# Altium PCB StEth32.PcbDoc (continued)
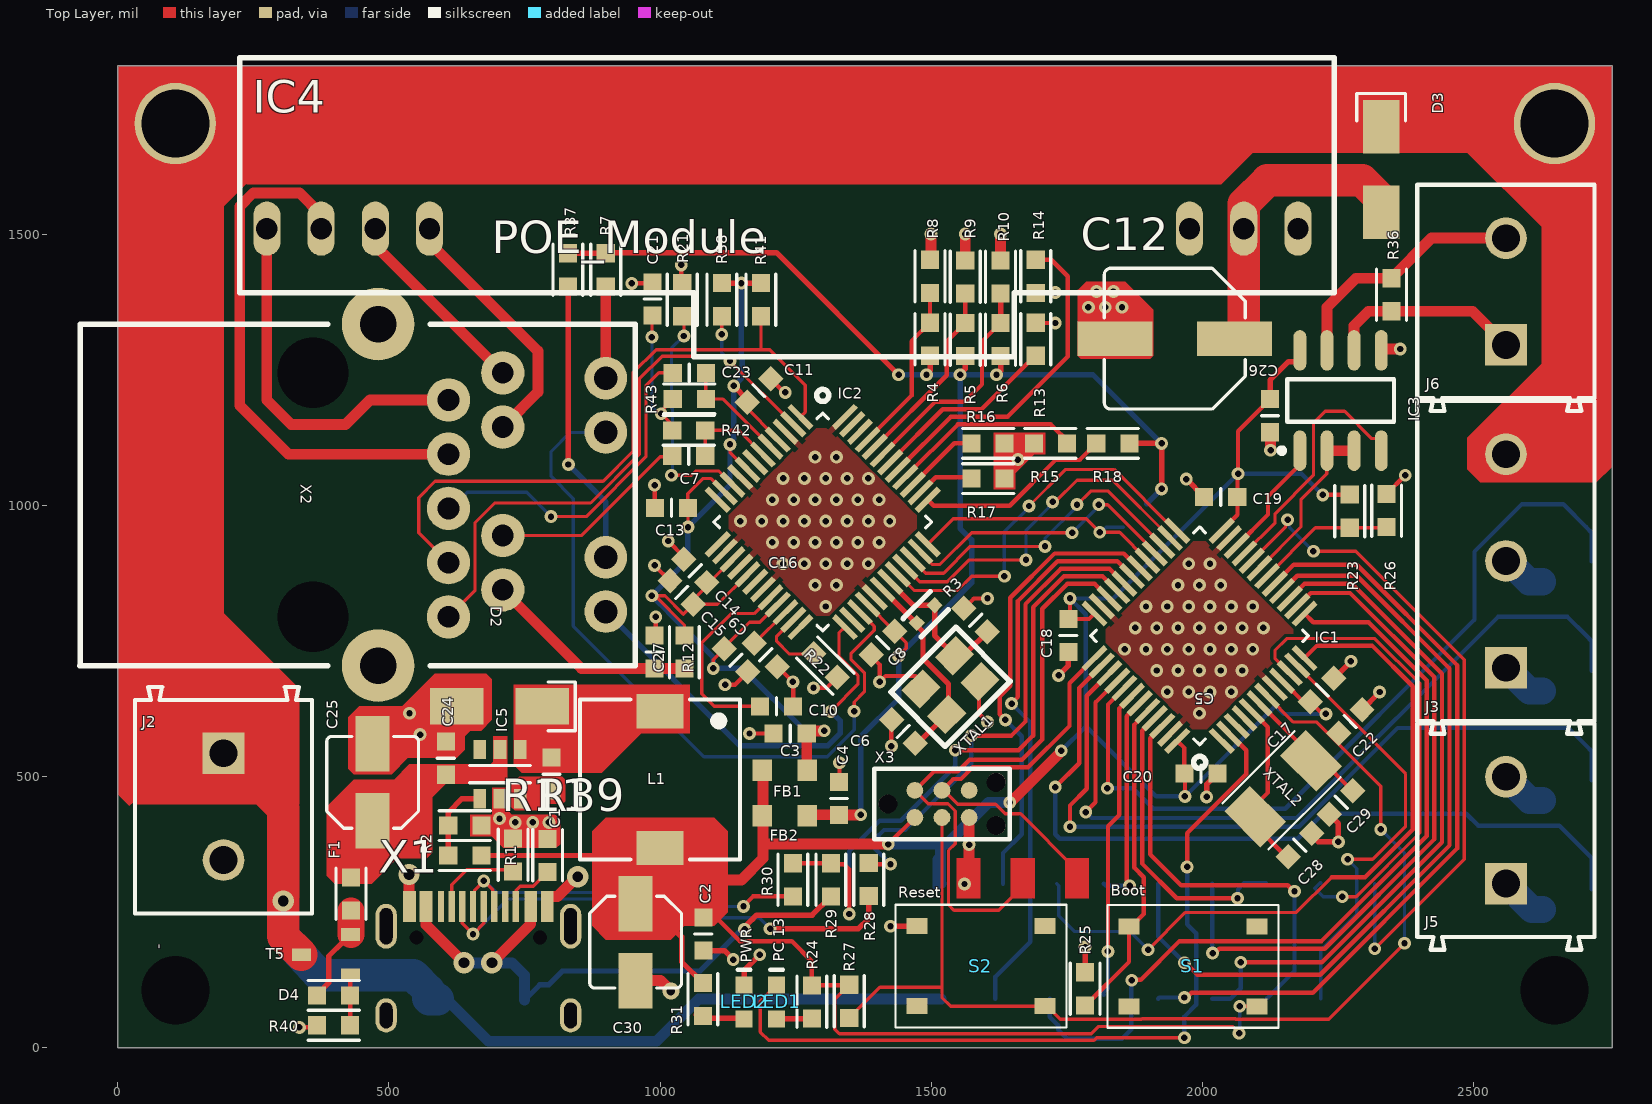
[diagram p0: Top Layer view]
## Part data (continued)
R4 R5 R6 R8 R9 R10 R13 R14 R15 R16 R17 R18 R19 R20 R22 R23 R25 R26 R27: library part ERJ-3EKF1002V, "RES SMD 10K OHM 1% 1/10W 0603", Digi-Key Part Number=P10.0KHCT-ND, Manufacturer="Panasonic Electronic Components", Operating Temperature="-55°C ~ 155°C", Package / Case="0603 (1608 Metric)", Power (Watts)="0.1W, 1/10W", Supplier Device Package=0603, Temperature Coefficient=±100ppm/°C, Tolerance=±1%, @ qty=1500, Composition="Thick Film", Datasheets=http://industrial.panasonic.com/www-cgi/jvcr13pz.cgi?E+PZ+3+AOA0002+ERJ3EKF1002V+7+WW, Factory Stock=0, Failure Rate=-, Features="Automotive AEC-Q200", Height - Seated (Max)="0.022\" (0.55mm)", Image=//media.digikey.com/Photos/Panasonic%20Photos/MFG_ERJ-P6W%20Series.jpg, Minimum Quantity=1, Number of Terminations=2, Packaging="Cut Tape (CT)", Part Number=ERJ-3EKF1002V, Part Status=Active, Quantity Available=6703141, Series=ERJ, Size / Dimension="0.063\" L x 0.031\" W (1.60mm x 0.80mm)", Unit Price (USD)=0.00379
R7 R12 R24 R37: library part ERJ-3EKF3300V, "RES SMD 330 OHM 1% 1/10W 0603", Digi-Key Part Number=P330HCT-ND, Manufacturer="Panasonic Electronic Components", Operating Temperature="-55°C ~ 155°C", Package / Case="0603 (1608 Metric)", Power (Watts)="0.1W, 1/10W", Supplier Device Package=0603, Temperature Coefficient=±100ppm/°C, Tolerance=±1%, @ qty=1500, Composition="Thick Film", Datasheets=http://industrial.panasonic.com/www-cgi/jvcr13pz.cgi?E+PZ+3+AOA0002+ERJ3EKF3300V+7+WW, Factory Stock=0, Failure Rate=-, Features="Automotive AEC-Q200", Height - Seated (Max)="0.022\" (0.55mm)", Image=//media.digikey.com/Photos/Panasonic%20Photos/MFG_ERJ-P6W%20Series.jpg, Minimum Quantity=1, Number of Terminations=2, Packaging="Cut Tape (CT)", Part Number=ERJ-3EKF3300V, Part Status=Active, Quantity Available=670984, Series=ERJ, Size / Dimension="0.063\" L x 0.031\" W (1.60mm x 0.80mm)", Unit Price (USD)=0.00379
R11 R39: library part ERJ-3GEYJ512V, "RES SMD 5.1K OHM 5% 1/10W 0603", Digi-Key Part Number=P5.1KGCT-ND, Manufacturer="Panasonic Electronic Components", Operating Temperature="-55°C ~ 155°C", Package / Case="0603 (1608 Metric)", Power (Watts)="0.1W, 1/10W", Supplier Device Package=0603, Temperature Coefficient=±200ppm/°C, Tolerance=±5%, @ qty=1500, Composition="Thick Film", Datasheets=http://industrial.panasonic.com/www-cgi/jvcr13pz.cgi?E+PZ+3+AOA0001+ERJ3GEYJ512V+7+WW, Factory Stock=0, Failure Rate=-, Features="Automotive AEC-Q200", Height - Seated (Max)="0.022\" (0.55mm)", Image=//media.digikey.com/Photos/Panasonic%20Photos/MFG_ERJ-P6W%20Series.jpg, Minimum Quantity=1, Number of Terminations=2, Packaging="Cut Tape (CT)", Part Number=ERJ-3GEYJ512V, Part Status=Active, Quantity Available=285626, Series=ERJ, Size / Dimension="0.063\" L x 0.031\" W (1.60mm x 0.80mm)", Unit Price (USD)=0.00321
R21: library part ERJ-3BQF1R1V, "RES SMD 12,4 KOHM 1% 1/4W 0603", Digi-Key Part Number=P17372CT-ND, Manufacturer="Panasonic Electronic Components", Operating Temperature="-55°C ~ 125°C", Package / Case="0603 (1608 Metric)", Power (Watts)="0.25W, 1/4W", Supplier Device Package=0603, Temperature Coefficient=±200ppm/°C, Tolerance=±1%, @ qty=1500, Composition="Thick Film", Datasheets=https://industrial.panasonic.com/cdbs/www-data/pdf/RDA0000/AOA0000C239.pdf, Factory Stock=0, Failure Rate=-, Features="Automotive AEC-Q200, Current Sense", Height - Seated (Max)="0.022\" (0.55mm)", Image=//media.digikey.com/Photos/Panasonic%20Photos/MFG_ERJ-P6W%20Series.jpg, Minimum Quantity=1, Number of Terminations=2, Packaging="Cut Tape (CT)", Part Number=ERJ-3BQF1R1V, Part Status=Active, Quantity Available=3896, Series=ERJ, Size / Dimension="0.063\" L x 0.031\" W (1.60mm x 0.80mm)", Unit Price (USD)=0.05386
R28 R30: library part ERJ-3EKF20R0V, "RES SMD 20 OHM 1% 1/10W 0603", Digi-Key Part Number=P20.0HCT-ND, Manufacturer="Panasonic Electronic Components", Operating Temperature="-55°C ~ 155°C", Package / Case="0603 (1608 Metric)", Power (Watts)="0.1W, 1/10W", Supplier Device Package=0603, Temperature Coefficient=±100ppm/°C, Tolerance=±1%, @ qty=1500, Composition="Thick Film", Datasheets=http://industrial.panasonic.com/www-cgi/jvcr13pz.cgi?E+PZ+3+AOA0002+ERJ3EKF20R0V+7+WW, Factory Stock=0, Failure Rate=-, Features="Automotive AEC-Q200", Height - Seated (Max)="0.022\" (0.55mm)", Image=//media.digikey.com/Photos/Panasonic%20Photos/MFG_ERJ-P6W%20Series.jpg, Minimum Quantity=1, Number of Terminations=2, Packaging="Cut Tape (CT)", Part Number=ERJ-3EKF20R0V, Part Status=Active, Quantity Available=92419, Series=ERJ, Size / Dimension="0.063\" L x 0.031\" W (1.60mm x 0.80mm)", Unit Price (USD)=0.00379
R29 R32 R33 R34 R35 R36 R40: library part ERJ-3EKF4701V, "RES SMD 4.7K OHM 1% 1/10W 0603", Digi-Key Part Number=P4.70KHCT-ND, Manufacturer="Panasonic Electronic Components", Operating Temperature="-55°C ~ 155°C", Package / Case="0603 (1608 Metric)", Power (Watts)="0.1W, 1/10W", Supplier Device Package=0603, Temperature Coefficient=±100ppm/°C, Tolerance=±1%, @ qty=1500, Composition="Thick Film", Datasheets=http://industrial.panasonic.com/www-cgi/jvcr13pz.cgi?E+PZ+3+AOA0002+ERJ3EKF4701V+7+WW, Factory Stock=0, Failure Rate=-, Features="Automotive AEC-Q200", Height - Seated (Max)="0.022\" (0.55mm)", Image=//media.digikey.com/Photos/Panasonic%20Photos/MFG_ERJ-P6W%20Series.jpg, Minimum Quantity=1, Number of Terminations=2, Packaging="Cut Tape (CT)", Part Number=ERJ-3EKF4701V, Part Status=Active, Quantity Available=999380, Series=ERJ, Size / Dimension="0.063\" L x 0.031\" W (1.60mm x 0.80mm)", Unit Price (USD)=0.00379
R38 R41 R42 R43: library part ERJ-3EKF49R9V, "RES SMD 49.9 OHM 1% 1/10W 0603", Digi-Key Part Number=P49.9HCT-ND, Manufacturer="Panasonic Electronic Components", Operating Temperature="-55°C ~ 155°C", Package / Case="0603 (1608 Metric)", Power (Watts)="0.1W, 1/10W", Supplier Device Package=0603, Temperature Coefficient=±100ppm/°C, Tolerance=±1%, @ qty=1500, Composition="Thick Film", Datasheets=http://industrial.panasonic.com/www-cgi/jvcr13pz.cgi?E+PZ+3+AOA0002+ERJ3EKF49R9V+7+WW, Factory Stock=0, Failure Rate=-, Features="Automotive AEC-Q200", Height - Seated (Max)="0.022\" (0.55mm)", Image=//media.digikey.com/Photos/Panasonic%20Photos/MFG_ERJ-P6W%20Series.jpg, Minimum Quantity=1, Number of Terminations=2, Packaging="Cut Tape (CT)", Part Number=ERJ-3EKF49R9V, Part Status=Active, Quantity Available=566023, Series=ERJ, Size / Dimension="0.063\" L x 0.031\" W (1.60mm x 0.80mm)", Unit Price (USD)=0.00379
S1 S2: library part Button, "6.1x3.7x2.5mm"
T1 T2 T3 T4: "AO3400 MOSFET 30V"
T5: "AO3401 MOSFET 30V"
X1: library part "USB-C 16P"
XTAL1: library part 3225
XTAL2: library part 5032

## Free pads (board coordinates)
  round 0 hole 125.98: 0(106.3,106.3) 0(2649.61,106.3)
  round 150 hole 125.98: 0(106.3,1704.72) 0(2649.61,1704.72)

## Via types
v1: diameter 23.62, hole 11.81, Top Layer to Bottom Layer, tented both sides, 124 vias
v2: diameter 23.62, hole 11.81, Top Layer to Bottom Layer, 73 vias
v3: diameter 39.37, hole 19.68, Top Layer to Bottom Layer, tented both sides, 5 vias
v4: diameter 31.5, hole 15.75, Top Layer to Bottom Layer, tented both sides, 1 vias

## Nets (pads, with @x,y where several pads share a name; then routed paths per layer and width w, separated by ;. In a path a pad name is that pad's centre, name@x,y a point inside that pad or via, vN(x,y) a via of type N, cw(c..) or ccw(c..) an arc to the next point about the centre after c; other vN are vias at no path point)
3,3V: C2.1 C17.1 C18.1 C19.1 C20.1 C26.1 C30.1 FB1.1 FB2.1 IC1.9 IC1.24 IC1.36 IC1.48 IC3.8 J1.1 L1.2 R1.1 R23.2 R24.1 R27.2 R31.2 S1.2 X3.1 | length 5113.3
  Top Layer w6: R27.2@1348,115.51 1322.27,89.78 1322.27,34.61 1330.88,26 1795.5,26 1809.26,39.76 1958.32,39.76 1958.38,39.81 2055.19,39.81 v1(2068,27) ; v1(2069,77) 2100.77,77 S1.2
  Top Layer w8: 1071,273 1147,197 1243,197 1280,160 R24.1 1348,115.51 R27.2 ; v1(1421,376) X3.1 ; v1(1756,829) 1756,794 C18.1 1791.24,791 IC1.36 ; IC1.48@1955.49,564.75 1966.98,553.26 C20.1 1968,504.98 v1(1968,464) ; IC1.24@2047.66,966.1 2065,983.44 2065,1058 v1(2066,1059) 2066,1137.51 C26.1 ; IC1.9 2147.58,677.27 2192.42,632.42 C17.1@2197,637 ; C17.1 2221.85,616 v1(2227.92,616) ; v1(2222,1020) 2271.49,1020 R23.2
  Top Layer w10: R1.1 915,355 940,330 ; C30.1 979.13,265.87 1040,205 1040,159 R31.2 ; C26.1 2125,1231.52 2159.05,1265.57 2173.71,1265.57 2180,1271.86 IC3.8
  Top Layer w20: 1070,310 1150,310 1190,350 1190,376 ; FB1.1@1190,515 1190,376 ; v1(1421,376) 1190,376 ; v1(1645,452.69) 1645.78,452.69 1740,546.92 v1(1740,548)
  Bottom Layer w6: v1(2068,27) 2069,28 v1(2069,77)
  Bottom Layer w8: v1(1740,548) 1785,593 1785,594 ; v1(2222,1020) 2183,1059 v1(2066,1059) 1836,829 v1(1756,829) 1785,800 1785,594 ; v1(2227.92,616) 2150,616 2135,631 v1(1968,464) 1915,464 1785,594
  Bottom Layer w20: v1(1421,376) 1517,376 ; J1.1@1512.35,297 J1.1@1512.35,347.65 ; J1.1 1517,304.65 1517,376 ; v1(1645,452.69) 1605.69,452.69 1529,376 1517,376
3,3VA: C3.1 C11.1 C13.1 C14.1 C15.1 C16.1 FB1.2 IC2.4 IC2.8 IC2.11 IC2.15 IC2.17 IC2.21 R12.2 R38.2 R41.2 | length 2207.5
  Top Layer w6: v1(985,834) v1@991,834 ; R12.2 1045,780 v1@991,834 ; C13.1@1051.02,996 1051.02,1022.02 1079,1050 1094.14,1050 IC2.11 ; v1(1051.51,960.49) C13.1 ; v1(1098,700) 1098,716.15 C16.1 ; C16.1@1123.42,731.58 1123.42,743.42 1165,785 1184.3,785 IC2.21 ; v1(1129,1113) 1129,1098.57 IC2.8 ; IC2.15 1090.84,858.42 C14.1 1086.58,851.58 1061.58,826.58 C15.1 ; C11.1@1155,1185 1217.27,1122.73 IC2.4 ; IC2.17 1106,818.42 C15.1 ; v1@991,834 1009.15,834 1043.15,800 C15.1
  Top Layer w10: R38.2 v1(1150,1410.51) R41.2 ; v1(1136,1221) 1160.8,1196.2 C11.1
  Top Layer w20: FB1.2@1270,515 1270.51,515.51 C3.1 1274.82,584.31 1302.31,584.31 v1(1303,585)
  Bottom Layer w10: v1(1150,1410.51) 1150,1278.12 1151.81,1276.31 1151.81,1257.42 1150,1255.61 1150,1235 v1(1136,1221) 1136,1123.69 1129,1116.69 v1(1129,1113) 1129,1037.98 v1(1051.51,960.49) 1051.51,900.51 v1(985,834) 1001.19,817.81 1001.45,817.81 1014.81,804.45 1014.81,804.19 1098,721 v1(1098,700) 1152,700 1267,585 v1(1303,585)
3,3VD: C4.1 C8.1 FB2.2 IC2.28 R4.2 R5.2 R6.2 R7.2 R18.2 R19.2 R20.2 R37.2 | length 2671.7
  Top Layer w6: C4.1@1329.49,430 C4.1 ; IC2.28@1382.73,815.42 IC2.28 1430.13,770.58 C8.1@1432.58,770.58 ; C8.1 1432.58,768.42 1454,747 1454,737 v1(1440,723)
  Top Layer w10: R37.2 R7.2 901.3,1466.81 1214.69,1466.81 v1(1440,1241.5) ; v1@1491.48,1243.48 1498,1250 R4.2 ; v1@1553.48,1243.48 1562.96,1252.96 1562.96,1275.94 R5.2 ; v1(1620.5,1241.5) 1628,1249 R6.2 ; R18.2 v1@1923,1115 ; v1(1925,1031) 1925,1113 v1@1923,1115 ; v1(1925,1115) v1@1923,1115
  Top Layer w20: FB2.2@1270,430 C4.1@1329.49,430 ; C4.1 1369.49,429.49 v1(1370,430)
  Bottom Layer w10: v1(1370,430) 1370,574 1440,644 v1(1440,723) 1574.49,857.49 R20.2 1553.48,958.01 v1(1553.48,1241.5) ; v1(1440,1241.5) v1(1491.48,1241.5) v1(1553.48,1241.5) ; R19.2 v1(1925,1031) ; v1(1925,1115) 1798.5,1241.5 v1(1620.5,1241.5) v1(1553.48,1241.5)
12V: C12.1 D3.A IC4.6 | length 574.5
  Top Layer w60: C12.1 2075.08,1308 2076.57,1309.5 IC4.6 2076.57,1556.57 2120,1600 2295,1600 2330,1565 D3.A
GND: C2.2 C3.2 C4.2 C5.1 C6.1 C8.2 C9.2 C10.2 C11.2 C12.2 C13.2 C14.2 C15.2 C16.2 C17.2 C18.2 C19.2 C20.2 C21.1 C22.2 C24.2 C25.2 C26.2 C27.1 C28.1 C29.1 C30.2 D2.A IC1.8 IC1.23 IC1.35 IC1.47 IC2.3 IC2.9 IC2.14 IC2.16 IC2.19 IC2.29 IC2.48 IC3.5 IC4.5 IC5.5 J1.19 J1.20 J2.2 LED2.1 R2.1 R8.1 R9.1 R10.1 R11.2 R13.2 R14.2 R15.2 R16.2 R17.2 R21.1 R22.1 R25.1 R26.1 R32.1 R33.1 R34.1 R35.1 R39.1 R40.1 S2.1 T1.S T2.S T3.S T4.S X1.GND X2.15 X3.5 XTAL1.2 XTAL1.4 | length 2223.6
  Top Layer w8: v1(335,38) 363.49,38 R40.1 ; v1(948,1410) 984.49,1410 C21.1 ; C27.1 992,762.51 v1(992,795) ; v1(990,890) C15.2 ; v1(990,1038) 990,996.49 C13.2 ; v1(1015,935) 1043.42,906.58 C14.2 ; v1(1039,1444) 1039,1412.51 R21.1 ; v1(1120,670) 1138.15,670 C16.2 ; v1(1165,580) C3.2 ; C11.2 1228.91,1209 v1(1231,1209) ; C9.2 v1(1245,675) 1245.51,674.49 C10.2 ; v1(1283,664) 1307.15,664 R22.1 ; C4.2 1331,491.51 1330,492.51 1331,493.51 v1(1331,526) ; C8.2 1389.42,722.57 1405,706.99 v1(1405,675) 1416.08,686.08 1471.43,686.08 ; v1(1426.72,556.72) 1426.72,605.72 C6.1 ; R8.1@1498,1447.51 R8.1@1499,1448.51 ; C5.1@1561,810 C5.1 1578.85,829 v1(1604,829) ; R9.1@1567,1448.51 R9.1@1572,1443.51 ; XTAL1.4@1600,676 XTAL1.4 1587.22,673.22 1587.22,645.47 1588.22,644.46 1588.22,616.78 v1(1604,601) ; R13.2 1693.14,1337.65 1693.8,1337 v1(1729,1337) ; R14.2@1693,1386.49 R14.2@1699,1392.49 ; R14.2 R14.2@1699,1392.49 ; v1@1729,1392.49 1730.5,1392.49 1731.02,1393 1738.03,1393 v1@1734.52,1389.5 ; v1(1729,1393) 1728.49,1392.49 R14.2@1699,1392.49 ; R26.1 v1(2374.49,1056)
  Top Layer w10: C2.2 1118.51,179.49 v1(1135,163) ; LED2.1 1155,143 v1(1184,172) ; v1@1423,226.64 v1(1425,224.64) 1468.6,224.64 1471.19,227.23 S2.1 ; v1(1735,687) 1753,705 C18.2 ; R25.1 v1(1784,186) ; v1(1970.49,1049) C19.2 ; v1(2008,463) 2008,486 C20.2 ; C28.1@2194,400 2214,380 v1(2251,380) 2251,413.85 C29.1@2229.42,435.42 ; C17.2@2235.58,675.58 2236.58,675.58 C17.2 2274,713 v1(2274,713.19) ; C22.2 2327,656 v1(2327,656.38)
  Top Layer w20: v3(537,320) 537,261.62 X1.GND@538.03,260.59 ; X1.GND@791.97,260.59 791.97,277.32 793.78,279.13 811.13,279.13 v3(848,316) v3@840.36,316 ; C30.2 1000.87,124.13 v4(1020,105) ; R8.1 1500,1455.51 v1(1500,1501) ; R9.1 v1(1563,1501) ; v2@1570,306 v1(1570,375) X3.5 ; R10.1 v1(1628,1501) ; C26.2 2125.54,1134.95 2125.54,1102.78 v1(2126.08,1102.24) ; IC3.5 2330,1287.33 2331.67,1289 v1(2365,1289)
  other v1: 733,416 765.2,416 795,416 704,423 1660,1085 1790,1366 1821,1366 1852,1366 1805,1395 1836,1395
  other v2: 1561.54,302.32 557.6,577.91 537.91,617.28 1994.61,617.28 1935.55,656.65 1974.92,656.65 2014.29,656.65 2053.66,656.65 1915.87,696.02 1955.24,696.02 1994.61,696.02 2033.98,696.02 2073.35,696.02 1856.81,735.39 1896.18,735.39 1935.55,735.39 1974.92,735.39 2014.29,735.39 2053.66,735.39 2093.03,735.39 1876.5,774.76 1915.87,774.76 1955.24,774.76 1994.61,774.76 2033.98,774.76 2073.35,774.76 2112.72,774.76 1305.63,814.13 1896.18,814.13 1935.55,814.13 1974.92,814.13 2014.29,814.13 2053.66,814.13 2093.03,814.13 1285.95,853.51 1325.32,853.51 1955.24,853.51 1994.61,853.51 2033.98,853.51 1226.89,892.88 1266.26,892.88 1305.63,892.88 1345,892.88 1384.37,892.88 1974.92,892.88 2014.29,892.88 1207.21,932.25 1246.58,932.25 1285.95,932.25 1325.32,932.25 1364.69,932.25 1404.06,932.25 1148.15,971.62 1187.52,971.62 1226.89,971.62 1266.26,971.62 1305.63,971.62 1345,971.62 1384.37,971.62 1423.74,971.62 1207.21,1010.99 1246.58,1010.99 1285.95,1010.99 1325.32,1010.99 1364.69,1010.99 1404.06,1010.99 1226.89,1050.36 1266.26,1050.36 1305.63,1050.36 1345,1050.36 1384.37,1050.36 1285.95,1089.73 1325.32,1089.73
NetC1_1: C1.1 IC5.6
NetC1_2: C1.2 D2.K IC5.1 L1.1
NetC5_2: C5.2 IC2.31 R3.2 XTAL1.1 | length 291.1
  Top Layer w10: IC2.31 1467.88,816.26 R3.2 1506.26,761.06 1544,723.33 1544,731.19 1544.31,730.88 1567.03,730.88 C5.2
NetC6_2: C6.2 IC2.30 R3.1 XTAL1.3 | length 363.7
  Top Layer w10: IC2.30 1472.12,783.74 R3.1 1473.74,778.83 1485,767.57 1485,718 1532,671 1532,644.34 1528.75,641.09 XTAL1.3 1476.15,562.15 C6.2
NetC7_1: C7.1 IC2.6 R42.2 | length 171.6
  Top Layer w6: C7.1 R42.2 1145.14,1139 IC2.6
NetC7_2: C7.2 X2.4 | length 380.4
  Top Layer w6: X2.4 855,945 1000.27,1090.27 1020.76,1090.27 C7.2
  Bottom Layer w6: X2.4 X2.4@715,940
NetC9_1: C9.1 IC2.22 | length 81.7
  Top Layer w6: C9.1 1174.16,746.58 IC2.22
NetC10_1: C10.1 IC2.20 | length 372.8
  Top Layer w6: C10.1 1100,630 1077,653 1077,747 1131,801 1173.43,801 IC2.20
NetC21_2: C21.2 R42.1 R43.2 | length 266.4
  Top Layer w6: v1(985,1311) 985,1349.49 C21.2 ; R42.1 1017.04,1144.45 1017.04,1154.73 v1(1002.32,1169.44) 1002.32,1174.21 1009.76,1181.64 1009.76,1183.27 R43.2
  Bottom Layer w6: v1(985,1311) 985,1182.33 997.88,1169.44 v1(1002.32,1169.44)
NetC22_1: C22.1 IC1.7 R27.1 S2.2 X3.3 | length 2041.8
  Top Layer w6: R27.1 1405.51,112 1520,112 ; X3.3 1520,112 ; IC1.7 2168.14,601 2211,601 2329,483 v1(2329,403) ; v1(2373,193) 2233.01,53.01 2061.4,53.01 2060.6,53.81 1889,53.81 1887.94,52.76 1738.24,52.76 1714.23,76.77 1535.96,76.77 1520,92.73 1520,112
  Bottom Layer w6: v1(2329,403) 2373,359 v1(2373,193)
NetC23_1: C23.1 IC2.5 R43.1 | length 200.9
  Top Layer w6: R43.1 1115.43,1197 IC2.5 ; R43.1@1084.51,1200 C23.1
NetC23_2: C23.2 X2.5 | length 631
  Top Layer w6: v1(799,980) 863.94,980 974,1090.06 974,1221 998,1245 C23.2
  Bottom Layer w6: X2.5 614.33,995 644.33,1025 754,1025 v1(799,980)
NetC27_2: C27.2 R12.1 X2.2 | length 395.3
  Top Layer w20: X2.2 855.51,699.49 C27.2 R12.1
NetC28_2: C28.2 IC1.5 XTAL2.1 | length 317.2
  Top Layer w8: IC1.5 2121,591.57 2121,471 2097.5,447.5 XTAL2.1 2097.5,410.2 C28.2@2156.85,350.85
NetC29_2: C29.2 IC1.6 XTAL2.2 | length 238.6
  Top Layer w8: IC1.6 2200.5,540.36 XTAL2.2 2221.65,529.5 C29.2@2272.58,478.58
NetD4_1: D4.1 F1.2 T5.S | length 207.7
  Top Layer w10: D4.1@367.49,87 D4.1 367.49,98.49 389,120 389,169.13 416.56,196.68 416.56,202.59 423.37,209.4 T5.S
  Top Layer w20: T5.S@430,209.4 435.18,209.4 436.99,207.59 T5.S@436.99,202.41
  Top Layer w50: T5.S@430,209.4 F1.2@430,252.76
NetD4_2: D4.2 R40.2 T5.G | length 92.9
  Top Layer w8: R40.2 428.51,87 428.51,133.83 T5.G
NetIC1_2: IC1.2 LED1.1 | length 1527.7
  Top Layer w6: LED1.1 1185,86.5 1185,29.37 1200.37,14 1800.47,14 1805.47,19 v1@1966,19
  Top Layer w8: v1@1966,19 v1@1967,20 ; v1(1972,334) 1972,396.15 2081,505.15 2081,549.13 IC1.2@2048.45,581.69
  Bottom Layer w8: v1(1967,19) 1967,58.15 1988.81,79.97 1988.81,211.3 1972,228.11 v1(1972,334)
NetIC1_10: IC1.10 J1.15 | length 908.7
  Top Layer w6: IC1.10@2164.71,691.41 IC1.10 2134,718.58 2134,733 2156,755 2318.38,755 2401,672.38 2401,396.38 2283.62,279 v1(2258,279)
  Bottom Layer w6: J1.15 2218.5,305.31 2207.59,294.41 2223,279 v1(2258,279)
NetIC1_11: IC1.11 J1.16 | length 803.6
  Top Layer w6: IC1.11 2175.31,705.03 2375,505.35 2375,409 2314,348 v1(2268,348)
  Bottom Layer w6: J1.16 2218.5,180.5 2285,247 2285,331 v1(2268,348)
NetIC1_12: IC1.12 J1.5 | length 1335.5
  Top Layer w6: v1(1900,181) 1969,250 2173.5,250 2238.5,315
  Top Layer w8: IC1.12 2211.76,742 2313,742 2388,667 2388,403 2300,315 2238.5,315
  Bottom Layer w6: J1.5@1731.5,303.15 1735.19,299.46 1735.19,243.81 1764,215 1866,215 v1(1900,181)
NetIC1_13: IC1.13 J1.6 | length 1520.7
  Top Layer w8: v1(1870,125) 1870.84,125.84 1886.84,125.84 1958,197 2220,197 2414,391 2414,677.77 2306.77,785 2204.76,785 IC1.13
  Bottom Layer w8: J1.6 1718.5,57.68 1734.19,42 1734.19,33.81 1751,17 1852,17 1869,34 1869,124 v1(1870,125)
NetIC1_14: IC1.14 J1.11 | length 1250
  Top Layer w8: v1(2019,175) 2023.23,175 2031.23,183 2225.8,183 2428,385.2 2428,683.57 2272.57,839 2199.86,839 IC1.14
  Bottom Layer w8: J1.11 2018.5,175.5 v1(2019,175)
NetIC1_15: IC1.15 J1.12 | length 1242.8
  Top Layer w8: v1(2071,158) 2220.6,158 2442,379.4 2442,690 2276,856 2188.58,856 IC1.15
  Bottom Layer w8: J1.12 2051.55,90.55 2071,110 v1(2071,158)
NetIC1_16: IC1.16 J1.9 | length 1481.1
  Top Layer w8: v1(1967,157) 1969,157 1991,135 2217.4,135 2456,373.6 2456,700 2285,871 2175.3,871 IC1.16
  Bottom Layer w8: J1.9 1918.5,205.5 v1(1967,157)
NetIC1_17: IC1.17 J1.10 | length 1432
  Top Layer w8: v1(1967,93) 1971,93 1979.54,101.54 2203.73,101.54 2470,367.8 2470,706 2285,891 2168.43,891 IC1.17
  Bottom Layer w8: J1.10 1920.95,93 v1(1967,93)
NetIC1_18: IC1.18 R23.1 R26.2 | length 257.9
  Top Layer w6: IC1.18 2208.63,959.49 R23.1 2339,959.49 R26.2
NetIC1_19: IC1.19 IC3.2 IC3.3 | length 317.1
  Top Layer w6: IC1.19@2106.71,885.45 2182,960.74 2182,1011 2229.73,1058.73 2229.73,1101.21 IC3.2
  Top Layer w20: IC3.2 IC3.3
NetIC1_20: IC1.20 J1.17 | length 1274.2
  Top Layer w6: IC1.20 2154.06,961.48 2154.06,970.73 v1(2157.43,974.1) v1@2157.43,972.74 ; v1(2205,916) 2283,916 2483,716 2483,348 v1(2318,183)
  Bottom Layer w6: v1@2157.43,964.57 v1(2157.43,974.1) 2160.8,970.73 2160.8,960.2 v1(2205,916) ; v1(2318,183) 2318,302.65 J1.17
NetIC1_21: IC1.21 IC3.4 | length 465.1
  Top Layer w6: IC1.21 2134.19,968.49 2134.19,985.19 2205,1056 2205,1152 2227,1174 2262.5,1174 2312.7,1123.8 2321.86,1123.8 2330,1115.66 IC3.4
NetIC1_22: IC1.22 IC3.1 | length 223.5
  Top Layer w8: IC1.22 2121.19,983.77 2121.19,1017.08 2180,1075.89 IC3.1
NetIC1_25: IC1.25 IC2.32 R20.1 | length 713
  Top Layer w6: IC2.32 1468.83,843.59 1548.59,843.59 1575,870 v1(1635,870) ; v1(1680.5,999.5) 1748,1067 1837.3,1067 1948.55,955.75 IC1.25@1952.99,955.75
  Bottom Layer w6: v1(1635,870) 1635,952 1675,992 v1@1675,1000
NetIC1_26: IC1.26 IC2.33 | length 654
  Top Layer w6: IC2.33 1454.15,887.27 1454.15,884.44 1479,859.59 1529.5,859.59 1569.91,900 v1(1675,900) ; v1(1724,1007) 1729,1007 1769,1047 1834.86,1047 IC1.26@1939.55,942.31
  Bottom Layer w6: v1(1675,900) 1675,955 v1@1725,1005
NetIC1_27: IC1.27 IC2.34 | length 585.9
  Top Layer w6: IC2.34 1467.23,902.47 1467.23,898.23 1489.87,875.59 1522.88,875.59 1572.28,925 v1(1710,925) ; v1(1769,1002) 1794,1027 1826.58,1027 IC1.27@1925.41,928.17
  Bottom Layer w6: v1(1710,925) 1710,940 v1@1770,1000
NetIC1_28: IC1.28 IC2.35 | length 526.5
  Top Layer w6: IC2.35 1481.02,915.55 1481.02,912.72 1502.15,891.59 1516.25,891.59 1574.66,950 v1(1760,950) ; v1(1809,1002) 1825.42,1002 1910.56,916.86 1910.56,914.03 IC1.28@1911.27,914.03
  Bottom Layer w6: v1(1760,950) v1@1810,1000
NetIC1_29: IC1.29 IC2.36 R19.1 | length 502
  Top Layer w6: IC2.36 1540.57,975.81 1785.81,975.81 1810.62,951 v1(1811,951) 1847.43,951 IC1.29@1897.83,900.59
  Bottom Layer w6: v1(1811,951) 1813.58,951 1823,960.42 1841.85,960.42 R19.1
NetIC1_30: IC1.30 J1.3 | length 849.9
  Top Layer w8: v1(1637,605) 1626.59,615.41 1626.59,648.59 1646,668 1646,830.15 1727.64,911.8 1855.23,911.8 1882.57,884.45 IC1.30
  Bottom Layer w8: J1.3@1632.5,303.15 1632.5,359.5 1667,394 1667,575 v1(1637,605)
NetIC1_31: IC1.31 J1.4 | length 1032
  Top Layer w8: v1(1648.41,635) 1648.41,635.9 1660,647.5 1660,824.36 1733.44,897.8 1843.06,897.8 IC1.31
  Bottom Layer w8: J1.4 1618.5,131.5 1683,196 1683,600.41 v1(1648.41,635)
NetIC1_32: IC1.32 R28.1 | length 939.6
  Top Layer w8: R28.1 R28.1@1390.35,346.38 ; R28.1@1392.67,348.7 1392.67,344.06 1397.73,339 v1(1425,339) ; v1(1574,576) 1648,576 1674,602 1674,818.56 1739.24,883.8 1828.78,883.8 IC1.32
  Bottom Layer w8: v1(1425,339) 1397,367 1397,386 1413,402 1452,402 1574,524 v1(1574,576)
NetIC1_33: IC1.33 R29.1 R30.1 | length 1177.8
  Top Layer w8: R30.1 R29.1 1316.56,338.95 1339.05,338.95 1349,329 v1(1349,247) ; v1(1544.5,549) 1661,549 1688,576 1688,812.76 1745.04,869.8 1815.91,869.8 IC1.33
  Bottom Layer w8: v1(1349,247) 1349,363 1405,419 1444,419 1544.5,519.5 v1(1544.5,549)
NetIC1_34: IC1.34 X3.2 | length 1114.2
  Top Layer w6: X3.2 1494.5,450.5 1531.04,450.5 1544.5,437.04 1544.5,376.82 1532,364.32 1532,264 1542,254 1624.96,254 1670,299.04 1670,315
  Top Layer w8: X3.2 1505,510 1549.14,510 1570.64,531.5 1667.5,531.5 1705,569 1705,809.96 1750.84,855.8 1801.62,855.8 IC1.34
NetIC1_37: IC1.37 X3.4 | length 766.5
  Top Layer w6: X3.4 1523.51,475 1549.01,449.5 1618.76,449.5 1636.38,431.88 1653.62,431.88 1653.74,432 1665,432 1768,329 1768,315 1769,314 1769,328
  Top Layer w8: X3.4 1541,496 1554.94,496 1576.44,517.5 1678.65,517.5 1755,593.85 1755,672.74 IC1.37
NetIC1_38: IC1.38 R33.2 T2.G | length 1450.4
  Top Layer w8: v1(1729,481) 1773,525 1773,663.86 IC1.38
  Bottom Layer w8: v1(1729,481) 1729,394 1737,386 2176,386 2222,432 2487,432 2509,410 2658.51,410 R33.2 2718.28,350.24 T2.G
NetIC1_39: IC1.39 R32.2 T1.G | length 1422.2
  Top Layer w8: v1(1756,408) 1756,447 1787,478 1787,649.58 IC1.39
  Bottom Layer w8: v1(1756,408) 2178.2,408 2360.2,590 2675.51,590 R32.2 2718.28,547.24 T1.G
NetIC1_40: IC1.40 R35.2 T4.G | length 1431
  Top Layer w8: v1(1785,435) 1803,453 1803,637.3 IC1.40
  Bottom Layer w8: v1(1785,435) 1796,424 2174.4,424 2545.4,795 2673.51,795 R35.2 2718.28,750.24 T4.G
NetIC1_41: IC1.41 R34.2 T3.G | length 1487.4
  Top Layer w8: v1@1826,479 1826,633.43 IC1.41
  Bottom Layer w8: v1(1825,479) 1872,479 1909.81,441.19 2153.19,441.19 2502,790 2502,915.31 2589.69,1003 2665.51,1003 R34.2 2718.28,950.24 T3.G
NetIC1_42: IC1.42 J1.8 | length 575.1
  Top Layer w8: v1(1826,178) 1826,409 1846.81,429.81 1846.81,625.95 IC1.42
  Bottom Layer w8: J1.8@1818.5,98.06 1816.25,100.31 1826,110.06 v1(1826,178)
NetIC1_43: IC1.43 J1.7 | length 398
  Top Layer w8: v1(1866,299) 1866,303.23 1860.81,308.42 1860.81,612 1884.36,635.55 IC1.43
  Bottom Layer w8: J1.7 1822.65,299 v1(1866,299)
NetIC1_44: IC1.44 R25.2 S1.1 | length 617.9
  Top Layer w8: R25.2@1784,68 1784,78 1864.78,158.78 S1.1 1869.41,224.41 1892,247 1892,315 1874.81,332.19 1874.81,596.33 1898.83,620.35 IC1.44
NetIC1_45: IC1.45 J1.13 | length 555.3
  Top Layer w8: IC1.45 1911.97,607.97 1889,585 1889,340.38 1888.81,340.19 1953,276 v1(2065,276)
  Bottom Layer w8: v1(2065,276) 2065.84,276.84 2065.84,292.84 2077,304 2117.65,304 J1.13
NetIC1_46: IC1.46 J1.14 | length 760.1
  Top Layer w8: IC1.46 1926.41,593.41 1904,571 1904,357 1961,300 2157.5,300 2168.5,289 v1(2170,289)
  Bottom Layer w8: J1.14 2170,142.05 v1(2170,289)
NetIC2_1: IC2.1 R41.1 X2.3 | length 1205.1
  Top Layer w6: X2.3 555,950 555,1015 585,1045 895,1045 950,1100 950,1245 992.81,1287.81 1185,1287.81 ; R41.1 1186,1288.81 1185,1287.81 ; IC2.1 1268,1172.76 1268,1222 1202.19,1287.81 1185,1287.81
NetIC2_2: IC2.2 R38.1 X2.1 | length 1130.2
  Top Layer w6: X2.1 659,844 659,969 695,1005 871.97,1005 962,1095.03 962,1234 1003.81,1275.81 1120.05,1275.81 v1(1129,1266.87) IC2.2 ; v1(1114,1316) R38.1
  Bottom Layer w6: v1(1114,1316) 1114,1282 1129,1267 v1(1129,1266.87)
NetIC2_10: IC2.10 R21.2 | length 432.7
  Top Layer w6: v1(1021,1056) 1058,1056 1066,1064 1108.42,1064 IC2.10 ; R21.2 1044,1346.49 v1(1044,1313)
  Bottom Layer w6: v1(1021,1056) 1023.13,1058.13 1023.13,1178.06 1021,1180.19 1021,1290 v1(1044,1313)
NetIC2_23: IC2.23 R22.2 | length 130.5
  Top Layer w6: IC2.23 1215,759.13 1215,750 1238.42,726.58 R22.2
NetIC2_25: IC2.25 X2.11 | length 786.8
  Top Layer w6: v1(1315,620.57) 1317.22,622.78 1365,670.57 1365,687 1330,722 1330,765.24 IC2.25
  Bottom Layer w10: X2.11 1147.81,557.19 1308.96,557.19 1332,580.23 1332,603.57 v1(1315,620.57)
NetIC2_27: IC2.27 X2.13 | length 1357.4
  Top Layer w6: v1(1358,621) 1358,638 1377,657 1377,691.97 1352,716.97 1352,727 1395,770 1395,777.42 IC2.27
  Bottom Layer w6: X2.13 834.16,1135.16 799,1100 799,1054 840,1013 840,778 1081,537 1308.57,537 1358,586.43 v1(1358,621)
NetIC2_37: IC2.37 R18.1 | length 363.3
  Top Layer w8: IC2.37@1494.1,1011.01 IC2.37 1504.76,1000 1644.8,1000 1729.07,1084.27 1773.76,1084.27 R18.1
NetIC2_38: IC2.38 R17.1 | length 108.3
  Top Layer w8: IC2.38 1508.36,1052.5 R17.1@1576.99,1052.5
NetIC2_39: IC2.39 R16.1 | length 145
  Top Layer w8: IC2.39 1542.58,1115 R16.1 R16.1@1579.49,1115
NetIC2_40: IC2.40 R15.1 | length 358.3
  Top Layer w8: IC2.40 1549.3,1150 1720.51,1150 R15.1@1755.51,1115
NetIC2_41: IC2.41 R14.1 | length 619.6
  Top Layer w8: IC2.41 1536.43,1164 1641,1164 1752.03,1275.03 1752.03,1422.98 1721.49,1453.51 R14.1
NetIC2_42: IC2.42 R13.1 | length 350.5
  Top Layer w8: IC2.42 1425.16,1080.31 1425.16,1081.72 1521.44,1178 1593,1178 1678.76,1263.76 1680.6,1263.76 R13.1@1693,1276.16
NetIC2_43: IC2.43 R6.1 R10.2 | length 413.9
  Top Layer w8: IC2.43 1507.86,1192 1562,1192 1593.74,1223.74 1593.74,1302.73 R6.1
  Top Layer w10: R6.1 R10.2@1628,1386.49
NetIC2_44: IC2.44 R5.1 R9.2 | length 347.2
  Top Layer w8: IC2.44@1396.52,1108.24 1528.74,1240.45 1528.74,1302.73 R5.1 R9.2@1563,1386.49
NetIC2_45: IC2.45 R4.1 R8.2 | length 312.2
  Top Layer w8: IC2.45 1464,1203.3 1464,1303.51 R4.1 R8.2@1498,1386.49
NetIC3_6: IC3.6 J6.1 R36.1 | length 362.1
  Top Layer w20: IC3.6 2280,1332 2306.49,1358.49 R36.1 2498.09,1358.49 J6.1
NetIC3_7: IC3.7 J6.2 R36.2 | length 462.3
  Top Layer w20: IC3.7 2230,1366 2283.51,1419.51 R36.2 2422.91,1493.43 J6.2
NetIC4_1: IC4.1 X2.8 | length 662.4
  Top Layer w20: IC4.1@275,1485 274.84,1484.84 274.84,1195.16 320,1150 420,1150 465,1195 X2.8
NetIC4_2: IC4.2 X2.7 | length 992.2
  Top Layer w20: IC4.2 375,1537 335,1577 250,1577 225,1552 225,1185 315,1095 X2.7
NetIC4_3: IC4.3 X2.10 | length 363.3
  Top Layer w20: IC4.3 475,1480 X2.10
NetIC4_4: IC4.4 X2.9 | length 485.8
  Top Layer w20: IC4.4 575,1485 775,1285 775,1210 715,1150 715,1140 X2.9
NetIC5_4: IC5.4 R1.2 R2.2 | length 148.1
  Top Layer w10: R1.2 R2.2 609.49,434.49 634.72,459.72 IC5.4
NetJ3_1: J3.1 T4.D | length 101.4
  Bottom Layer w50: J3.1@2571.16,712.46 J3.1 2603.14,658.16 T4.D
NetJ3_2: J3.2 T3.D | length 83.6
  Bottom Layer w50: J3.2 2564.26,898.15 2602.68,859.73 T3.D
NetJ5_1: J5.1 T2.D | length 87.7
  Bottom Layer w50: J5.1 2608.15,255 T2.D
NetJ5_2: J5.2 T1.D | length 85.7
  Bottom Layer w50: J5.2 2603.42,456.58 T1.D
NetLED1_2: LED1.2 R24.2 | length 65.4
  Top Layer w10: LED1.2 1279.02,53.5 R24.2
NetLED2_2: LED2.2 R31.1 | length 90.3
  Top Layer w10: R31.1@1067,61.49 R31.1@1079,61.49 ; R31.1 1083.49,54.49 1154.02,54.49 LED2.2
NetR7_1: R7.1 X2.14 | length 169.4
  Top Layer w20: R7.1 900,1235.32 X2.14
NetR11_1: R11.1 X1.CC1 | length 166.4
  Top Layer w6: X1.CC1 615.79,300.79 643.81,328.81 725.68,328.81 R11.1
NetR28_2: R28.2 X1.DN | length 945.8
  Top Layer w6: X1.DN@635.47,260.59 635.47,229.69 v1(655.16,210) 674.84,229.68 X1.DN@674.84,260.59
  Top Layer w10: v1(1203,220) 1366,220 1385,239 R28.2
  Bottom Layer w6: v1(655.16,210) 720.06,274.91 919.12,274.91 953.84,240.19 1182.81,240.19 v1(1203,220)
NetR30_2: R30.2 X1.DP | length 708.8
  Top Layer w6: X1.DP@655.16,260.59 658.06,263.5 658.06,291.06 v1(675,308) 691.62,291.38 691.62,263.5 X1.DP@694.53,260.59
  Top Layer w8: v1(1154,261) 1154,262 1171.49,279.49 R30.2
  Bottom Layer w6: v1(675,308) 676.84,308 697.94,286.91 924.09,286.91 950,261 v1(1154,261)
NetR37_1: R37.1 X2.12 | length 528.7
  Top Layer w10: R37.1 831,1403.49 v1(831,1076)
  Bottom Layer w10: v1(831,1076) 900.16,1006.84 X2.12
NetR39_2: R39.2 X1.CC2 | length 102.5
  Top Layer w6: X1.CC2 734.62,261.31 734.62,290.62 742.13,298.13 766.4,298.13 R39.2
VBUS: D1.A R29.2 X1.VBUS | length 1078.6
  Top Layer w10: v1(1156,219) 1156,222.69 1170.93,237.62 1170.93,237.93 1178,245 1280.51,245 R29.2
  Top Layer w20: X1.VBUS@568.54,260.59 568.54,227.1 v3(638.64,157) ; v3(690,157) 761.46,228.46 X1.VBUS@761.46,260.59
  Bottom Layer w10: D1.A 750,88.26 778.2,116.46 794.46,116.46 820,142 1074,142 v1@1154,222
  Bottom Layer w20: v3(638.64,157) v3(690,157) 727,157 750,134 D1.A@750,88.26
Vcc: D1.K D3.K J1.2 J2.1 J3.3 pad.0@106.3,1704.72 pad.0@2649.61,1704.72 T5.D | length 1832.5
  Top Layer w60: J2.1 203.58,543.42 305,442 v3@305,272 ; v3(305,271) 305,205.72 T5.D
  Bottom Layer w20: D1.K 608.01,88 683.5,12.5 993.5,12.5 1071.55,90.55 J1.2
  Bottom Layer w60: v3(305,271) 305,206.61 372.26,134 545,134 573.05,105.95 573.05,91.46 574.25,90.26 D1.K@590,90.26
VCC_F1: C24.1 C25.1 F1.1 IC5.2
pads on no net: IC1.1 IC1.3 IC1.4 IC2.7 IC2.12 IC2.13 IC2.18 IC2.24 IC2.26 IC2.46 IC2.47 IC4.7 IC5.3 J1.18 S1.3 S1.4 S2.3 S2.4 X1.1 X1.SBU1 X1.SBU2 X2.0 X3.6 X3.A X3.B X3.C

## Polygon pours and split planes (outlines as drawn)
GND on Top Layer "Top Layer-No Net" (solid, pour order 6): 1953.99,953.75 1973.74,934 2016.26,934 2036.01,953.75 2188.75,801.01 2168,780.06 2168,739.73 2188.75,718.99 2036.01,566.25 2014.04,588 1978.74,588 1955.49,564.75 1801.25,718.99 1822,739.73 1822,780.26 1801.25,801.01
GND on Top Layer "Top Layer-No Net" (solid, pour order 4): 1258.99,1163.75 1279.74,1143 1320.26,1143 1341.01,1163.75 1493.75,1011.01 1493.01,1011.01 1473,991 1473,949.74 1493.75,928.99 1341.01,776.25 1341.01,776.99 1321,797 1279.74,797 1258.99,776.25 1106.25,928.99 1127,949.91 1127,990.26 1106.25,1011.01
no net on Top Layer "Top Layer-No Net" (solid, pour order 11): 0,1811.02
no net on Bottom Overlay "Top Layer-No Net" (solid): 2753,1803
GND on Bottom Layer "Bottom - GND" (solid, pour order 15): 0,1809.09 0,1812.6 2755.91,1812.6 2755.91,1.57 0,1.57
no net on Bottom Layer "Top Layer-No Net" (solid, pour order 17): 0,0
GND on Bottom Layer "Top Layer-No Net" (solid, pour order 8): -1155,942

## Other copper
Top Layer:
  region net NetIC1_37: 1747,350.02 1791,350.02 1791,275.98 1747,276.04
  region net NetIC1_34: 1647,350.02 1691,350.02 1691,275.98 1647,276.04
  region net GND: 1547,350.02 1591,350.02 1591,275.98 1547,276.04
  region net GND: 1770,1277 1770,1398 1771,1398 1786,1413 1858,1413 1910,1361 1910,1277 1904,1271 1776,1271
  region net Vcc: 28,452 31,449 274,449 335,449 335,662 195,802 195,1552 237,1594 238,1593 2035,1593 2093,1651 2489,1651 2626,1514 2626,1262 2489,1125 2489,1067 2513,1043 2727,1043 2755.91,1071.91 2755.91,1811.02 0,1811.02 0,1804 0,468 21,447
  region net 3,3V: 900,425 875,400 875,225 900,200 1020,200 1045,225 1100,225 1125,250 1125,400 1100,425
  region net NetC1_1: 820,500 825,495 825,455 820,450 785,450 773,438 732,438 725,445 725,485 740,500
  region net GND: 425,610 425,515 435,505 505,505 535,535 625,535 640,550 640,575 650,585 670,585 690,605 690,680 680,690 585,690 525,630 445,630
  region net VCC_F1: 692.5,575 718,575 718,498 707,487 604.5,487 580,462.5 580,417.5 580,360 570,350 515,350 468,303 400,303 385,318 385,445 435,495 510,495 538,523 688,523 692.5,527.5
  region net NetC1_2: 730,670 730,522.41 745.08,507.33 892.33,507.33 965,580 1055,580 1055,670
  region net GND: 691,480 719,480 719,438 727,430 807,430 816,421 816,376 809,369 711,369 690,390 650,390 650,430 691,430
  region net GND: 1615,1135 1710,1135 1710,1095 1690,1095 1655,1060 1655,1030 1615,1030
  region: 2217.52,1125
  region: 2217.52,1125
  region: 2217.52,1125

## Silkscreen, mask and mechanical layers (free items; w line width, h text height)
Top Overlay:
  region: 3354,991
  text "-" at 84,182 h20 r90
Bottom Overlay:
  drawing of 265 lines, arcs and shapes, not listed
  text "STM32_W5500_Dev V1.2" at 1865,1723 h40
  text "designed by Valentin Fischer" at 1864,1656 h40
  text "März 2020" at 1866,1589 h40
Mechanical 1:
  the board outline again, w20

## Text inside footprints (layer, text, board x,y; h text height)
J1: Bottom Overlay "2" at 1450.39,74.8 h39.37 r180; Bottom Overlay "1" at 1466.14,354.33 h39.37 r180; Bottom Overlay "19" at 2459.06,354.33 h39.37 r180; Bottom Overlay "20" at 2459.06,74.8 h39.37 r180